# Altium PCB high-spped-thermocouple-logger.PcbDoc (part 1 of 3) (continued)
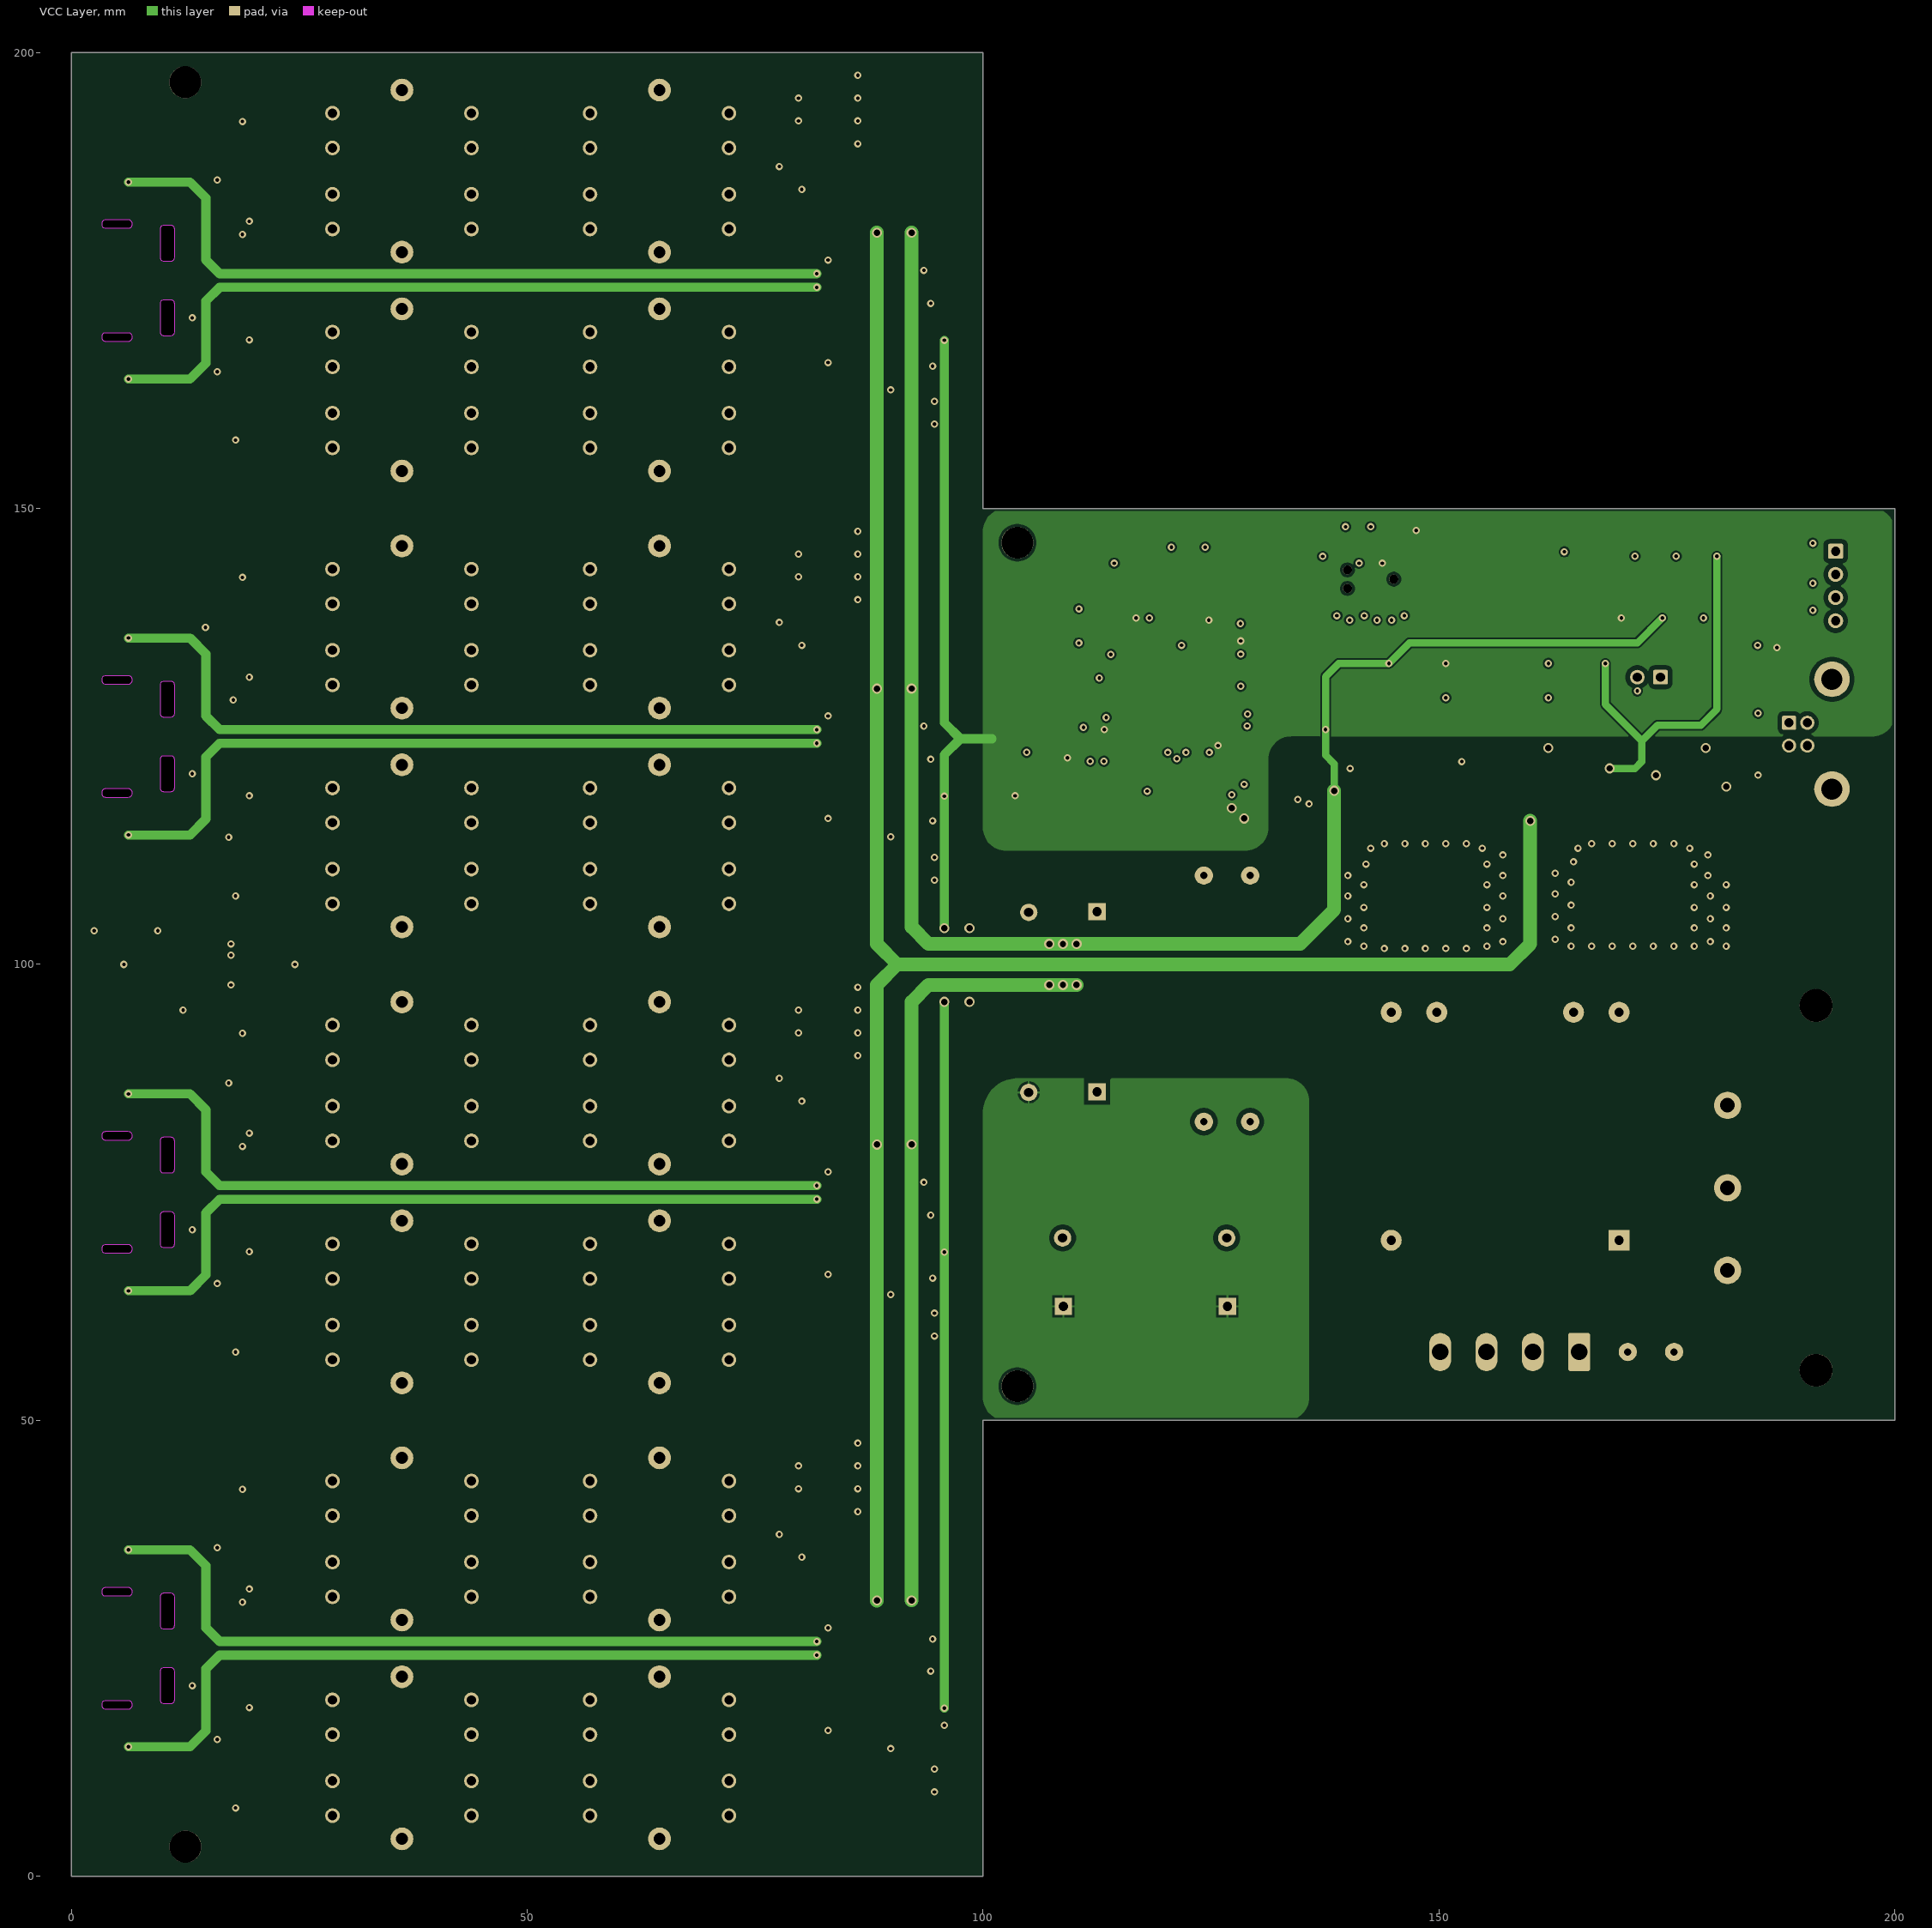
[diagram p3: VCC Layer]

## Layer stack, top to bottom
Top Solder Mask: solder mask 0.005, Solder Resist, Dk 3.5
Top Layer: signal copper 0.035
Dielectric 1: prepreg 0.35, FR-4, Dk 4.2
GND Layer: signal copper 0.035
Dielectric 3: core 0.71, FR-4, Dk 4.2
VCC Layer: signal copper 0.035
Dielectric 2: prepreg 0.35, FR-4, Dk 4.2
Bottom Layer: signal copper 0.035
Bottom Solder Mask: solder mask 0.005, Solder Resist, Dk 3.5

## Board outline
0,0 0,200 100,200 100,150 200,150 200,50 100,50 100,0
board region "Layer Stack Region 1": 0,0 0,200 100,200 100,150 200,150 200,50 100,50 100,0
board region "Cavity : J3D": 10.17,22.91 10.87,22.91 10.95,22.91 11.097,22.849 11.209,22.737 11.27,22.59 11.27,22.51 11.27,19.31 11.27,19.23 11.209,19.083 11.097,18.971 10.95,18.91 10.87,18.91 10.17,18.91 10.09,18.91 9.943,18.971 9.831,19.083 9.77,19.23 9.77,19.31 9.77,22.51 9.77,22.59 9.831,22.737 9.943,22.849 10.09,22.91
board region "Cavity : J3C": 10.17,72.91 10.87,72.91 10.95,72.91 11.097,72.849 11.209,72.737 11.27,72.59 11.27,72.51 11.27,69.31 11.27,69.23 11.209,69.083 11.097,68.971 10.95,68.91 10.87,68.91 10.17,68.91 10.09,68.91 9.943,68.971 9.831,69.083 9.77,69.23 9.77,69.31 9.77,72.51 9.77,72.59 9.831,72.737 9.943,72.849 10.09,72.91
board region "Cavity : J3A": 10.17,172.91 10.87,172.91 10.95,172.91 11.097,172.849 11.209,172.737 11.27,172.59 11.27,172.51 11.27,169.31 11.27,169.23 11.209,169.083 11.097,168.971 10.95,168.91 10.87,168.91 10.17,168.91 10.09,168.91 9.943,168.971 9.831,169.083 9.77,169.23 9.77,169.31 9.77,172.51 9.77,172.59 9.831,172.737 9.943,172.849 10.09,172.91
board region "Cavity : J3B": 10.17,122.91 10.87,122.91 10.95,122.91 11.097,122.849 11.209,122.737 11.27,122.59 11.27,122.51 11.27,119.31 11.27,119.23 11.209,119.083 11.097,118.971 10.95,118.91 10.87,118.91 10.17,118.91 10.09,118.91 9.943,118.971 9.831,119.083 9.77,119.23 9.77,119.31 9.77,122.51 9.77,122.59 9.831,122.737 9.943,122.849 10.09,122.91

## Design rules (kind name [scope] priority, off if disabled: settings)
AssemblyTestPointUsage [All] p1 off: valid=2 // Not used
AssemblyTestpoint AssemblyTestpoint_THT [(IsVia) Or (IsPad And OnMultiLayer)] p1: testpointundercomponent=TRUE minsize=0 maxsize=100 preferedsize=0 minholesize=0 maxholesize=100 preferedholesize=0 testpointgrid=0.025 usegrid=FALSE gridtolerance=0 allowsidetop=TRUE allowsidebottom=TRUE minspacing=2.54 // THT testpoints (component pads)
AssemblyTestpoint AssemblyTestpoint_SMD [(IsPad And (OnTopLayer Or OnBottomLayer)) and not(HasFootprint('FXPSWITCH_PAD') or HasFootprint ('FXPSWITCH_PAD_ALT1'))] p2: testpointundercomponent=TRUE minsize=1 maxsize=100 preferedsize=0 minholesize=0 maxholesize=100 preferedholesize=0 testpointgrid=0.025 usegrid=FALSE gridtolerance=0 allowsidetop=TRUE allowsidebottom=TRUE minspacing=2.54 padholecenterclearance=1 // SMD testpoints except present switch
AssemblyTestpoint [All] p3 off: testpointundercomponent=TRUE minsize=1.016 maxsize=2.54 preferedsize=1.524 minholesize=0 maxholesize=1.016 preferedholesize=0.813 testpointgrid=0.025 usegrid=TRUE gridtolerance=0 allowsidetop=TRUE allowsidebottom=TRUE
BoardOutlineClearance X_BoardOutlineClearance [HasFootprint('MOUSE_BITES_3X_2_4MM') or  HasFootprint('MOUSE_BITES_5X_2_4MM') or HasFootprint('IN_TAB_2_4_EXT')] p1: gap=0 ignorepadtopadclearanceinfootprint=FALSE // Excluded components
BoardOutlineClearance "BoardOutlineClearance TC connector" [HasFootprint('TC_PCC-SMD')] p2: gap=0 ignorepadtopadclearanceinfootprint=FALSE
BoardOutlineClearance [All] p3: gap=0.3 ignorepadtopadclearanceinfootprint=FALSE
Clearance "Clearance TC connector" [IsBoardCutoutRegion AND HasFootprint('TC_PCC-SMD') vs IsTrack] p1: gap=0 ignorepadtopadclearanceinfootprint=FALSE
Clearance "NPT Hole" [(InPadClass('NPTH'))] p2: gap=0.3 ignorepadtopadclearanceinfootprint=FALSE except(0: Arc-Hole Track-Hole SMDPad-Hole THPad-Hole Via-Hole Fill-Hole Poly-Hole Region-Hole Text-Hole) // Copper Clearance to NPT Hole
Clearance [All] p3: gap=0.2 ignorepadtopadclearanceinfootprint=FALSE except(0: Arc-Hole Track-Hole SMDPad-Hole THPad-Hole Via-Hole Fill-Hole Region-Hole Text-Hole; 0.3: Poly-Hole; 0.5: THPad-Fill THPad-Poly THPad-Region)
ComponentClearance [Not (HasFootprint('PASTE_STENCIL')) vs Not (HasFootprint('PASTE_STENCIL'))] p1: gap=0.25 collisioncheckmode=3 verticalgap=0.25 showdistances=TRUE
DiffPairsRouting [InDifferentialPair('USB_D')] p1: maxlimit=0.3 minlimit=0.2 mostfreqgap=0.3 toplayer_minwidth=0.3 toplayer_maxwidth=0.6 toplayer_prefwidth=0.5 midlayer1_minwidth=0.3 midlayer1_maxwidth=0.6 midlayer1_prefwidth=0.5 midlayer2_minwidth=0.3 midlayer2_maxwidth=0.6 midlayer2_prefwidth=0.5 bottomlayer_minwidth=0.3 bottomlayer_maxwidth=0.6 bottomlayer_prefwidth=0.5 substack1={D4B13332-B16D-4162-ADFD-B41CD3E9E9D2} toplayer_{d4b13332-b16d-4162-adfd-b41cd3e9e9d2}_minwidth=0.381 toplayer_{d4b13332-b16d-4162-adfd-b41cd3e9e9d2}_maxwidth=0.381 toplayer_{d4b13332-b16d-4162-adfd-b41cd3e9e9d2}_prefwidth=0.381 midlayer1_{d4b13332-b16d-4162-adfd-b41cd3e9e9d2}_minwidth=0.381 midlayer1_{d4b13332-b16d-4162-adfd-b41cd3e9e9d2}_maxwidth=0.381 midlayer1_{d4b13332-b16d-4162-adfd-b41cd3e9e9d2}_prefwidth=0.381 midlayer2_{d4b13332-b16d-4162-adfd-b41cd3e9e9d2}_minwidth=0.381 midlayer2_{d4b13332-b16d-4162-adfd-b41cd3e9e9d2}_maxwidth=0.381 midlayer2_{d4b13332-b16d-4162-adfd-b41cd3e9e9d2}_prefwidth=0.381 bottomlayer_{d4b13332-b16d-4162-adfd-b41cd3e9e9d2}_minwidth=0.381 bottomlayer_{d4b13332-b16d-4162-adfd-b41cd3e9e9d2}_maxwidth=0.381 bottomlayer_{d4b13332-b16d-4162-adfd-b41cd3e9e9d2}_prefwidth=0.381 maxuncoupledlength=12.7
FabricationTestPointUsage [All] p1 off: valid=0 allowmultiple=FALSE
FabricationTestpoint [All] p1 off: side=3 testpointundercomponent=TRUE minsize=1.016 maxsize=2.54 preferedsize=1.524 minholesize=0 maxholesize=1.016 preferedholesize=0.813 testpointgrid=0.025 allowsidetop=TRUE allowsidebottom=TRUE usegrid=TRUE gridtolerance=0
Height [All] p1: minheight=0 maxheight=80 prefheight=7
HoleSize [All] p1: absolutevalues=TRUE maxlimit=6 minlimit=0.35 maxpercent=80.000 minpercent=20.000
HoleToHoleClearance [All] p1: gap=0.25 allowstackedmicrovias=TRUE
MinimumAnnularRing [All] p1: minimumring=0.2
MinimumSolderMaskSliver [All] p1: minsoldermaskwidth=0.01
PlaneClearance [All] p1: clearance=0.15
PlaneConnect [All] p1: planeconnectstyle=Relief reliefexpansion=0.5 reliefentries=4 reliefconductorwidth=0.25 reliefairgap=0.25
PolygonConnect "Via Connect" [IsVia] p1: connectstyle=Direct reliefconductorwidth=0.254 reliefentries=4 polygonreliefangle="90 Angle" airgapwidth=0.254 // Via connection style
PolygonConnect [All] p2: connectstyle=Relief reliefconductorwidth=0.25 reliefentries=4 polygonreliefangle="90 Angle" airgapwidth=0.25
RoomDefinition Channel_4 [InComponentClass('Room Definition4') vs False] p1: confinementstyle=ConfineIn formatcopy=TRUE lockcomponents=FALSE outline -1.5,0 100,0 100,50 -1.5,50
RoomDefinition Channel_3 [InComponentClass('Room Definition3') vs False] p2: confinementstyle=ConfineIn formatcopy=TRUE lockcomponents=FALSE outline -1.5,50 100,50 100,100 -1.5,100
RoomDefinition Channel_2 [InComponentClass('Room Definition2') vs False] p3: confinementstyle=ConfineIn formatcopy=TRUE lockcomponents=FALSE outline -1.5,100 100,100 100,150 -1.5,150
RoomDefinition Channel_1 [InComponentClass('Room Definition1') vs False] p4: confinementstyle=ConfineIn formatcopy=TRUE lockcomponents=FALSE outline -1.5,150 100,150 100,200 -1.5,200
RoutingCorners [All] p1: cornerstyle=45-Degree minsetback=2.5 maxsetback=2.5
RoutingVias [All] p1: holewidth=0.4 width=0.8 viastyle="Through Hole" minholewidth=0.2 minwidth=0.6 maxholewidth=1 maxwidth=1.6 useviatemplates=TRUE viatemplateguid#1={26E1B80A-D5C0-4505-9623-F9CB59458B7C} viatemplateguid#2={36E1CC21-96E2-49A4-88B6-F2B68A4AE673} viatemplateguid#3={0111366E-BFF6-48C7-B537-6C96D691991D} viatemplateguid#4={0E0C0ADB-85E7-4A3B-837A-9DB01CC425C1} viatemplateguid#5={2AE59D33-7222-4D26-9EBE-4F327D78EEDC} viatemplateguid#6={04F958C5-3098-48F3-841F-9266846BFB57} viatemplateguid#7={3EBD0A92-59C6-4A03-9F1B-9C85124118A6} viatemplateguid#8={D374DE30-929E-4757-A35D-CCDF97954E77} viatemplateguid#9={7387BB7D-B2C7-482F-BFEA-A07FA82CF54E} viatemplatename#1=v50h15m22 viatemplatename#2=v60h20m28 viatemplatename#3=v80h40m48 viatemplatename#4=v110h70m78 viatemplatename#5=v140h90 viatemplatename#6=v160h100m108 viatemplatename#7=v170h110 viatemplatename#8=v200h130 viatemplatename#9=v260h150
SMDEntry [All] p1: side=TRUE corner=FALSE anyangle=FALSE
SMDEntry ResistorArray_Exit [HasFootprint('CAC-50P200X100-8M')] p2: side=TRUE corner=FALSE anyangle=FALSE
SMDToCorner ResistorArray_NeckDown [HasFootprint('CAC-50P200X100-8M')] p1: distance=78740
ShortCircuit "ShortCircuit TC connector" [IsBoardCutoutRegion AND HasFootprint('TC_PCC-SMD') vs IsPad AND HasFootprint('TC_PCC-SMD')] p1: allowed=TRUE // TC connector slot exception
ShortCircuit [All] p2: allowed=FALSE
SilkToSilkClearance [All] p1: silktosilkclearance=0.1
SilkToSolderMaskClearance [IsPad] p1: minsilkscreentomaskgap=0.05 clearancetoexposedcopper=FALSE
SolderMaskExpansion "PTH Via" [IsVia] p1: expansion=0.075 istentingtop=FALSE soldermaskfromhole=TRUE
SolderMaskExpansion [All] p2: expansion=0.1 istentingtop=FALSE
Width [All] p1: maxlimit=5 minlimit=0.15 preferedwidth=0.3 substack1={D4B13332-B16D-4162-ADFD-B41CD3E9E9D2}
14 further rules are at their usual default settings.

## Classes and differential pairs
component class "Room Definition4": CK9D CK10D CK11D CK12D CK13D CK14D CK15D CK32G CK32H CK33G CK33H CK34G CK34H CK35G CK35H CK36G CK36H CK37G CK37H CK38G CK38H CK39G CK39H CK40G CK40H CVAR1G CVAR1H DS5D L1D L2D L3D L4D L5D R4D R5D R6D R7D R8D R9D R10D R11D R12D R13D R14D R16D R17D R18D R32D R33D R34D TP7D TP8D TP9D TP10D TP11D TP12D TP13D U4D U5D
component class "Room Definition3": CK9C CK10C CK11C CK12C CK13C CK14C CK15C CK32E CK32F CK33E CK33F CK34E CK34F CK35E CK35F CK36E CK36F CK37E CK37F CK38E CK38F CK39E CK39F CK40E CK40F CVAR1E CVAR1F DS5C J3C L1C L2C L3C L4C L5C R4C R5C R6C R7C R8C R9C R10C R11C R12C R13C R14C R16C R17C R18C R32C R33C R34C TP7C TP8C TP9C TP10C TP11C TP12C TP13C U4C U5C
component class "Room Definition2": CK9B CK10B CK11B CK12B CK13B CK14B CK15B CK32C CK32D CK33C CK33D CK34C CK34D CK35C CK35D CK36C CK36D CK37C CK37D CK38C CK38D CK39C CK39D CK40C CK40D CVAR1C CVAR1D DS5B J3B L1B L2B L3B L4B L5B R4B R5B R6B R7B R8B R9B R10B R11B R12B R13B R14B R16B R17B R18B R32B R33B R34B TP7B TP8B TP9B TP10B TP11B TP12B TP13B U4B U5B
component class "Room Definition1": CK9A CK10A CK11A CK12A CK13A CK14A CK15A CK32A CK32B CK33A CK33B CK34A CK34B CK35A CK35B CK36A CK36B CK37A CK37B CK38A CK38B CK39A CK39B CK40A CK40B CVAR1A CVAR1B DS5A J3A L1A L2A L3A L4A L5A R4A R5A R6A R7A R8A R9A R10A R11A R12A R13A R14A R16A R17A R18A R32A R33A R34A TP7A TP8A TP9A TP10A TP11A TP12A TP13A U4A U5A
component class U_filterD_UC4H: CK32H CK33H CK34H CK35H CK36H
component class U_filterC_UC4F: CK32F CK33F CK34F CK35F CK36F
component class U_filterB_UC4D: CK32D CK33D CK34D CK35D CK36D
component class U_filterA_UC4B: CK32B CK33B CK34B CK35B CK36B
component class U_filterD_UC3H: CK37H CK38H CK39H CK40H CVAR1H
component class U_filterC_UC3F: CK37F CK38F CK39F CK40F CVAR1F
component class U_filterB_UC3D: CK37D CK38D CK39D CK40D CVAR1D
component class U_filterA_UC3B: CK37B CK38B CK39B CK40B CVAR1B
component class U_filterD_UC2G: CK37G CK38G CK39G CK40G CVAR1G
component class U_filterC_UC2E: CK37E CK38E CK39E CK40E CVAR1E
component class U_filterB_UC2C: CK37C CK38C CK39C CK40C CVAR1C
component class U_filterA_UC2A: CK37A CK38A CK39A CK40A CVAR1A
component class U_filterD_UC1G: CK32G CK33G CK34G CK35G CK36G
component class U_filterC_UC1E: CK32E CK33E CK34E CK35E CK36E
component class U_filterB_UC1C: CK32C CK33C CK34C CK35C CK36C
component class U_filterA_UC1A: CK32A CK33A CK34A CK35A CK36A
channel class inamp: U_inampA U_inampB U_inampC U_inampD
channel class filter: U_filterA U_filterB U_filterC U_filterD
net class AMPL_OUT[1..4]: AMPL_OUT1 AMPL_OUT2 AMPL_OUT3 AMPL_OUT4
component class U_inampD: CK13D CK14D CK15D CK16D DS5D R14D R15D R16D R17D R18D R32D TP11D TP12D TP13D U4D U5D
component class U_inampC: CK13C CK14C CK15C CK16C DS5C R14C R15C R16C R17C R18C R32C TP11C TP12C TP13C U4C U5C
component class U_inampA: CK13A CK14A CK15A CK16A DS5A R14A R15A R16A R17A R18A R32A TP11A TP12A TP13A U4A U5A
component class U_filterD: CK9D CK10D CK11D CK12D J3D L1D L2D L3D L4D L5D R4D R5D R6D R7D R8D R9D R10D R11D R12D R13D R33D R34D TP7D TP8D TP9D TP10D
component class U_filterC: CK9C CK10C CK11C CK12C J3C L1C L2C L3C L4C L5C R4C R5C R6C R7C R8C R9C R10C R11C R12C R13C R33C R34C TP7C TP8C TP9C TP10C
component class U_filterA: CK9A CK10A CK11A CK12A J3A L1A L2A L3A L4A L5A R4A R5A R6A R7A R8A R9A R10A R11A R12A R13A R33A R34A TP7A TP8A TP9A TP10A
channel class C_376p667: U_filterA_UC2A U_filterA_UC3B U_filterB_UC2C U_filterB_UC3D U_filterC_UC2E U_filterC_UC3F U_filterD_UC2G U_filterD_UC3H
channel class C_76p593: U_filterA_UC1A U_filterA_UC4B U_filterB_UC1C U_filterB_UC4D U_filterC_UC1E U_filterC_UC4F U_filterD_UC1G U_filterD_UC4H
component class U_power: CE1 CE2 CE3 CE4 CE5 CE6 CK1 CK2 CK3 CK4 CK5 CK6 CK7 CK8 DG1 DL1 DL2 DL3 DS1 DS2 DS3 DS4 F1 F2 F3 J1 J2 R1 R2 R3 SW1 TP1 TP2 TP3 TP4 TP5 TP6 TR1 U1 U2 U3
component class U_mcu: CK18 CK19 CK20 CK21 CK22 CK23 CK24 CK25 CK26 CK27 CK28 CK29 CK30 CK31 DL4 DZ4 DZ5 DZ6 DZ7 FB1 FB2 J4 R22 R23 R24 R25 R26 R31 SW2 U7 X1
component class U_inampB: CK13B CK14B CK15B CK16B DS5B R14B R15B R16B R17B R18B R32B TP11B TP12B TP13B U4B U5B
component class U_filterB: CK9B CK10B CK11B CK12B J3B L1B L2B L3B L4B L5B R4B R5B R6B R7B R8B R9B R10B R11B R12B R13B R33B R34B TP7B TP8B TP9B TP10B
component class U_external: CK41 DZ1 DZ2 DZ3 DZ8 DZ9 J5 J6 J7 R27 R28 R29 R30
component class U_cjc: CK17 R19 R20 R21 TP14 TP15 TP16 U6
component class U_ProjectInfo: FM1 FM2 FM3 FM4 H1 H2 H3 H4 LB1 S1 S2
differential pair USB_D: +USB_D_P -USB_D_N

## Components (designator, comment, footprint, x,y, rotation, side; value= is the part's Value field where it differs from the comment)
CE1 "2200u" ECE_16x31.5_RM7.5 108.75,86 r180 top
CE2 "2200u" ECE_16x31.5_RM7.5 108.75,105.75 r180 top
CE3 "2200u" ECE_16x31.5_RM7.5 126.75,66.25 r90 top
CE4 "2200u" ECE_16x31.5_RM7.5 108.75,66.25 r90 top
CE5 "47u" CAPAE6.8X6.8(D_SIZE) 181.5,114.25 r270 top
CE6 "10u" CAPAE5.5X5.5(C_SIZE) 166.526,123.75 r0 top
CK1 "10n" CAPC1608X09N(SMC0603) 127.5,90.75 r180 top
CK2 "10n" CAPC1608X09N(SMC0603) 120.75,94.475 r90 top
CK3 "470n" CAPC1608X09N(SMC0603) 156.25,114.5 r270 top
CK4 "100n" CAPC1608X09N(SMC0603) 140.25,119.775 r90 top
CK5 "10n" CAPC1608X09N(SMC0603) 127.5,101.75 r180 top
CK6 "10n" CAPC1608X09N(SMC0603) 120.75,98.025 r270 top
CK7 "1u" CAPC1608X09N(SMC0603) 136.75,118.325 r270 top
CK8 "1u" CAPC1608X09N(SMC0603) 128.625,117.875 r90 top
CK9A "220n" CAPC1608X09N(SMC0603) 17.75,180.775 r270 top (schematic designator CK9)
CK9B "220n" CAPC1608X09N(SMC0603) 17.75,130.775 r270 top (schematic designator CK9)
CK9C "220n" CAPC1608X09N(SMC0603) 17.75,80.775 r270 top (schematic designator CK9)
CK9D "220n" CAPC1608X09N(SMC0603) 17.75,30.775 r270 top (schematic designator CK9)
CK10A "220n" CAPC1608X09N(SMC0603) 13.25,169.175 r90 top (schematic designator CK10)
CK10B "220n" CAPC1608X09N(SMC0603) 13.25,119.175 r90 top (schematic designator CK10)
CK10C "220n" CAPC1608X09N(SMC0603) 13.25,69.175 r90 top (schematic designator CK10)
CK10D "220n" CAPC1608X09N(SMC0603) 13.25,19.175 r90 top (schematic designator CK10)
CK11A "1n" CAPC2012X14N(SMC0805) 16,188 r90 top (schematic designator CK11)
CK11B "1n" CAPC2012X14N(SMC0805) 16,138 r90 top (schematic designator CK11)
CK11C "1n" CAPC2012X14N(SMC0805) 16,88 r90 top (schematic designator CK11)
CK11D "1n" CAPC2012X14N(SMC0805) 16,38 r90 top (schematic designator CK11)
CK12A "1n" CAPC2012X14N(SMC0805) 16,162.95 r270 top (schematic designator CK12)
CK12B "1n" CAPC2012X14N(SMC0805) 16,112.95 r270 top (schematic designator CK12)
CK12C "1n" CAPC2012X14N(SMC0805) 16,62.95 r270 top (schematic designator CK12)
CK12D "1n" CAPC2012X14N(SMC0805) 16,12.95 r270 top (schematic designator CK12)
CK13A "10u" CAPC3225X27N(SMC1210) 95.25,178.75 r270 top (schematic designator CK13)
CK13B "10u" CAPC3225X27N(SMC1210) 95.25,128.75 r270 top (schematic designator CK13)
CK13C "10u" CAPC3225X27N(SMC1210) 95.25,78.75 r270 top (schematic designator CK13)
CK13D "10u" CAPC3225X27N(SMC1210) 95.25,28.75 r270 top (schematic designator CK13)
CK14A "10u" CAPC3225X27N(SMC1210) 83,168.9 r270 top (schematic designator CK14)
CK14B "10u" CAPC3225X27N(SMC1210) 83,118.9 r270 top (schematic designator CK14)
CK14C "10u" CAPC3225X27N(SMC1210) 83,68.9 r270 top (schematic designator CK14)
CK14D "10u" CAPC3225X27N(SMC1210) 83,18.9 r270 top (schematic designator CK14)
CK15A "10u" CAPC3225X27N(SMC1210) 85.25,178.75 r270 top (schematic designator CK15)
CK15B "10u" CAPC3225X27N(SMC1210) 85.25,128.75 r270 top (schematic designator CK15)
CK15C "10u" CAPC3225X27N(SMC1210) 85.25,78.75 r270 top (schematic designator CK15)
CK15D "10u" CAPC3225X27N(SMC1210) 85.25,28.75 r270 top (schematic designator CK15)
CK16A "220p" CAPC2012X14N(SMC0805) 115.75,143 r90 top (schematic designator CK16)
CK16B "220p" CAPC2012X14N(SMC0805) 111.75,138 r90 top (schematic designator CK16)
CK16C "220p" CAPC2012X14N(SMC0805) 111.75,134.25 r90 top (schematic designator CK16)
CK16D "220p" CAPC2012X14N(SMC0805) 119.25,120 r270 top (schematic designator CK16)
CK17 "10u" CAPC3225X27N(SMC1210) 6,103.692 r180 top
CK18 "100n" CAPC1608X09N(SMC0603) 139.75,146.225 r270 top
CK19 "15p" CAPC1608X09N(SMC0603) 124.35,143.975 r90 top
CK20 "15p" CAPC1608X09N(SMC0603) 120.65,143.975 r90 top
CK21 "10n" CAPC1608X09N(SMC0603) 112.525,127.775 r90 top
CK22 "1u" CAPC1608X09N(SMC0603) 111,127.75 r270 top
CK23 "1u" CAPC1608X09N(SMC0603) 106.525,123.275 r180 top
CK24 "4u7" CAPC1608X09N(SMC0603) 111.75,124.025 r90 top
CK25 "100n" CAPC1608X09N(SMC0603) 117.5,138.976 r180 top
CK26 "100n" CAPC1608X09N(SMC0603) 127.5,138.5 r180 top
CK27 "100n" CAPC1608X09N(SMC0603) 129.25,134.75 r90 top
CK28 "100n" CAPC1608X09N(SMC0603) 113.25,124.025 r90 top
CK29 "100n" CAPC1608X09N(SMC0603) 126.225,122.5 r0 top
CK30 "100n" CAPC1608X09N(SMC0603) 110.25,130.676 r270 top
CK31 "1u" CAPC1608X09N(SMC0603) 111.75,130.676 r90 top
CK32A "470p" CAPC1005X06N(SMC0402) 20.5,172.5 r180 top (schematic designator CK32)
CK32B "470p" CAPC1005X06N(SMC0402) 79.5,172.5 r0 top (schematic designator CK32)
CK32C "470p" CAPC1005X06N(SMC0402) 20.5,122.5 r180 top (schematic designator CK32)
CK32D "470p" CAPC1005X06N(SMC0402) 79.5,122.5 r0 top (schematic designator CK32)
CK32E "470p" CAPC1005X06N(SMC0402) 20.5,72.5 r180 top (schematic designator CK32)
CK32F "470p" CAPC1005X06N(SMC0402) 79.5,72.5 r0 top (schematic designator CK32)
CK32G "470p" CAPC1005X06N(SMC0402) 20.5,22.5 r180 top (schematic designator CK32)
CK32H "470p" CAPC1005X06N(SMC0402) 79.5,22.5 r0 top (schematic designator CK32)
CK33A "470p" CAPC1005X06N(SMC0402) 20.5,173.75 r0 top (schematic designator CK33)
CK33B "470p" CAPC1005X06N(SMC0402) 79.5,173.75 r180 top (schematic designator CK33)
CK33C "470p" CAPC1005X06N(SMC0402) 20.5,123.75 r0 top (schematic designator CK33)
CK33D "470p" CAPC1005X06N(SMC0402) 79.5,123.75 r180 top (schematic designator CK33)
CK33E "470p" CAPC1005X06N(SMC0402) 20.5,73.75 r0 top (schematic designator CK33)
CK33F "470p" CAPC1005X06N(SMC0402) 79.5,73.75 r180 top (schematic designator CK33)
CK33G "470p" CAPC1005X06N(SMC0402) 20.5,23.75 r0 top (schematic designator CK33)
CK33H "470p" CAPC1005X06N(SMC0402) 79.5,23.75 r180 top (schematic designator CK33)
CK34A "470p" CAPC1005X06N(SMC0402) 20.5,175 r180 top (schematic designator CK34)
CK34B "470p" CAPC1005X06N(SMC0402) 79.5,175 r0 top (schematic designator CK34)
CK34C "470p" CAPC1005X06N(SMC0402) 20.5,125 r180 top (schematic designator CK34)
CK34D "470p" CAPC1005X06N(SMC0402) 79.5,125 r0 top (schematic designator CK34)
CK34E "470p" CAPC1005X06N(SMC0402) 20.5,75 r180 top (schematic designator CK34)
CK34F "470p" CAPC1005X06N(SMC0402) 79.5,75 r0 top (schematic designator CK34)
CK34G "470p" CAPC1005X06N(SMC0402) 20.5,25 r180 top (schematic designator CK34)
CK34H "470p" CAPC1005X06N(SMC0402) 79.5,25 r0 top (schematic designator CK34)
CK35A "470p" CAPC1005X06N(SMC0402) 20.5,176.25 r0 top (schematic designator CK35)
CK35B "470p" CAPC1005X06N(SMC0402) 79.5,176.25 r180 top (schematic designator CK35)